# KiCad board COMM PANEL.kicad_pcb (continued)
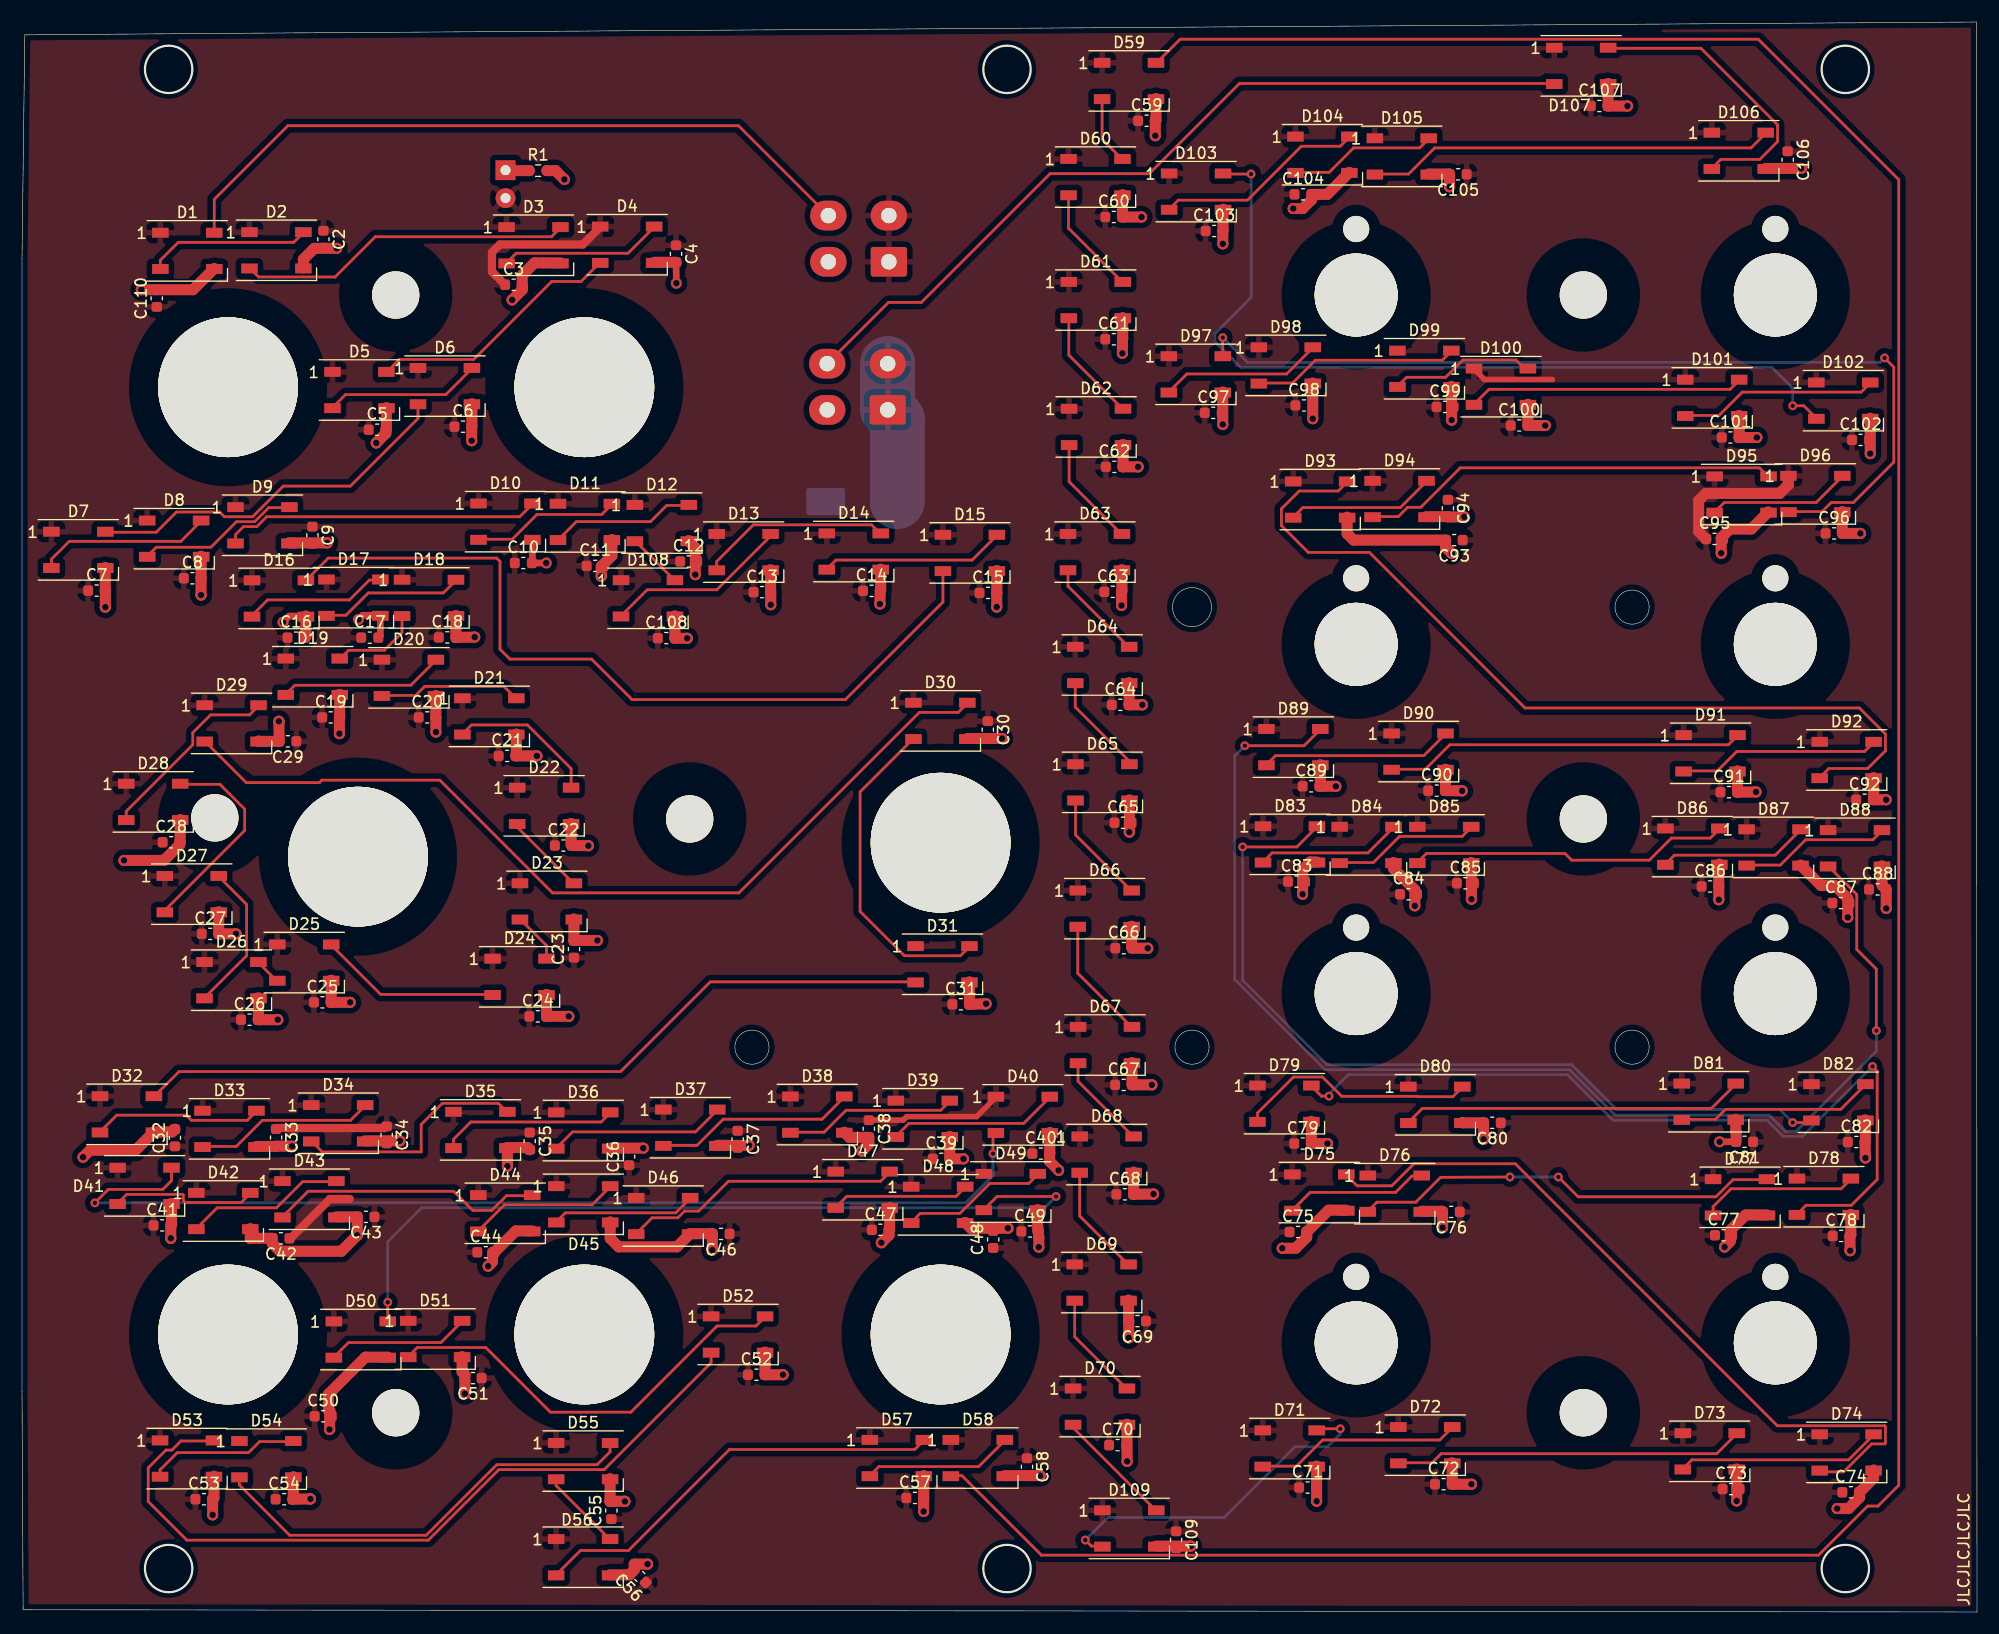
[diagram p0: board, top side]
## Placement (name value [footprint] x y rotation side) (continued)

## Library data of the parts
NOREF#2 = -: Field4: G4

## Footprints (pads in the part's own frame, mm; a bottom-side part is the same pattern mirrored in y, then rotated)
BR10K_Pot_11mm_x_11mm
  round 7.541 hole 7.54 unplated: (0,0) (0,0)
  round 2.381 hole 2.38 unplated: (0,-6)
C_0603_1608Metric
  rrect 0.9x0.95 smd: 1(-0.775,0) 2(0.775,0)
CP_Elec_8x10
  rrect 3.5x2.5 smd: 1(-3.25,0) 2(3.25,0)
LED_D3.0mm
  rect 1.8x1.8 hole 0.9: 1(0,0)
  round 1.8 hole 0.9: 2(2.54,0)
LED_WS2812B_PLCC4_5.0x5.0mm_P3.2mm
  rect 1.5x0.9 smd: 1(-2.45,1.65) 2(-2.45,-1.65) 3(2.45,-1.65) 4(2.45,1.65)
Molex_Mini-Fit_Jr_5566-04A_2x02_P4.20mm_Vertical
  rrect 2.7x3.3 hole 1.4: 1(0,0)
  oval 2.7x3.3 hole 1.4: 2(4.2,0) 3(0,-5.5) 4(4.2,-5.5)
OH_Panel_6-32_PHS
  round 4.3 hole 4.3 unplated: (0,0)
R_0603_1608Metric
  rrect 0.8x0.95 smd: 1(-0.825,0) 2(0.825,0)
SxAL_Toggle_13x13mm
  round 12.7 hole 12.7 unplated: (0,0) (0,0)

## Nets
/DATAIN: D1.4 J1.4
/DATAOUT: D107.2 J2.4
/LED+5V: C1.1 C2.1 C3.1 C4.1 C5.1 C6.1 C7.1 C8.1 C9.1 C10.1 C11.1 C12.1 C13.1 C14.1 C15.1 C16.1 C17.1 C18.1 C19.1 C20.1 C21.1 C22.1 C23.1 C24.1 C25.1 C26.1 C27.1 C28.1 C29.1 C30.1 C31.1 C32.1 C33.1 C34.1 C35.1 C36.1 C37.1 C38.1 C39.1 C40.1 C41.1 C42.1 C43.1 C44.1 C46.1 C47.1 C48.1 C49.1 C50.1 C51.1 C52.1 C53.1 C54.1 C55.1 C56.1 C57.1 C58.1 C59.1 C60.1 C61.1 C62.1 C63.1 C64.1 C65.1 C66.1 C67.1 C68.1 C69.1 C70.1 C71.1 C72.1 C73.1 C74.1 C75.1 C76.1 C77.1 C78.1 C79.1 C80.1 C81.1 C82.1 C83.1 C84.1 C85.1 C86.1 C87.1 C88.1 C89.1 C90.1 C91.1 C92.1 C93.1 C94.1 C95.1 C96.1 C97.1 C98.1 C99.1 C100.1 C101.1 C102.1 C103.1 C104.1 C105.1 C106.1 C107.1 C108.1 C109.1 C110.1 D1.1 D2.1 D3.1 D4.1 D5.1 D6.1 D7.1 D8.1 D9.1 D10.1 D11.1 D12.1 D13.1 D14.1 D15.1 D16.1 D17.1 D18.1 D19.1 D20.1 D21.1 D22.1 D23.1 D24.1 D25.1 D26.1 D27.1 D28.1 D29.1 D30.1 D31.1 D32.1 D33.1 D34.1 D35.1 D36.1 D37.1 D38.1 D39.1 D40.1 D41.1 D42.1 D43.1 D44.1 D45.1 D46.1 D47.1 D48.1 D49.1 D50.1 D51.1 D52.1 D53.1 D54.1 D55.1 D56.1 D57.1 D58.1 D59.1 D60.1 D61.1 D62.1 D63.1 D64.1 D65.1 D66.1 D67.1 D68.1 D69.1 D70.1 D71.1 D72.1 D73.1 D74.1 D75.1 D76.1 D77.1 D78.1 D79.1 D80.1 D81.1 D82.1 D83.1 D84.1 D85.1 D86.1 D87.1 D88.1 D89.1 D90.1 D91.1 D92.1 D93.1 D94.1 D95.1 D96.1 D97.1 D98.1 D99.1 D100.1 D101.1 D102.1 D103.1 D104.1 D105.1 D106.1 D107.1 D108.1 D109.1 D110.2 J1.1 J1.2 J2.1 J2.2
/LEDGND: C1.2 C2.2 C3.2 C4.2 C5.2 C6.2 C7.2 C8.2 C9.2 C10.2 C11.2 C12.2 C13.2 C14.2 C15.2 C16.2 C17.2 C18.2 C19.2 C20.2 C21.2 C22.2 C23.2 C24.2 C25.2 C26.2 C27.2 C28.2 C29.2 C30.2 C31.2 C32.2 C33.2 C34.2 C35.2 C36.2 C37.2 C38.2 C39.2 C40.2 C41.2 C42.2 C43.2 C44.2 C46.2 C47.2 C48.2 C49.2 C50.2 C51.2 C52.2 C53.2 C54.2 C55.2 C56.2 C57.2 C58.2 C59.2 C60.2 C61.2 C62.2 C63.2 C64.2 C65.2 C66.2 C67.2 C68.2 C69.2 C70.2 C71.2 C72.2 C73.2 C74.2 C75.2 C76.2 C77.2 C78.2 C79.2 C80.2 C81.2 C82.2 C83.2 C84.2 C85.2 C86.2 C87.2 C88.2 C89.2 C90.2 C91.2 C92.2 C93.2 C94.2 C95.2 C96.2 C97.2 C98.2 C99.2 C100.2 C101.2 C102.2 C103.2 C104.2 C105.2 C106.2 C107.2 C108.2 C109.2 C110.2 D1.3 D2.3 D3.3 D4.3 D5.3 D6.3 D7.3 D8.3 D9.3 D10.3 D11.3 D12.3 D13.3 D14.3 D15.3 D16.3 D17.3 D18.3 D19.3 D20.3 D21.3 D22.3 D23.3 D24.3 D25.3 D26.3 D27.3 D28.3 D29.3 D30.3 D31.3 D32.3 D33.3 D34.3 D35.3 D36.3 D37.3 D38.3 D39.3 D40.3 D41.3 D42.3 D43.3 D44.3 D45.3 D46.3 D47.3 D48.3 D49.3 D50.3 D51.3 D52.3 D53.3 D54.3 D55.3 D56.3 D57.3 D58.3 D59.3 D60.3 D61.3 D62.3 D63.3 D64.3 D65.3 D66.3 D67.3 D68.3 D69.3 D70.3 D71.3 D72.3 D73.3 D74.3 D75.3 D76.3 D77.3 D78.3 D79.3 D80.3 D81.3 D82.3 D83.3 D84.3 D85.3 D86.3 D87.3 D88.3 D89.3 D90.3 D91.3 D92.3 D93.3 D94.3 D95.3 D96.3 D97.3 D98.3 D99.3 D100.3 D101.3 D102.3 D103.3 D104.3 D105.3 D106.3 D107.3 D108.3 D109.3 J1.3 J2.3 R1.2
Net-(D1-Pad2): D1.2 D2.4
Net-(D2-Pad2): D2.2 D3.4
Net-(D3-Pad2): D3.2 D4.4
Net-(D4-Pad2): D4.2 D5.4
Net-(D5-Pad2): D5.2 D6.4
Net-(D6-Pad2): D6.2 D7.4
Net-(D7-Pad2): D7.2 D8.4
Net-(D8-Pad2): D8.2 D9.4
Net-(D10-Pad2): D10.2 D11.4
Net-(D10-Pad4): D9.2 D10.4
Net-(D11-Pad2): D11.2 D12.4
Net-(D13-Pad2): D13.2 D14.4
Net-(D14-Pad2): D14.2 D15.4
Net-(D15-Pad2): D15.2 D16.4
Net-(D16-Pad2): D16.2 D17.4
Net-(D17-Pad2): D17.2 D18.4
Net-(D18-Pad2): D18.2 D19.4
Net-(D19-Pad2): D19.2 D20.4
Net-(D20-Pad2): D20.2 D21.4
Net-(D21-Pad2): D21.2 D22.4
Net-(D22-Pad2): D22.2 D23.4
Net-(D23-Pad2): D23.2 D24.4
Net-(D24-Pad2): D24.2 D25.4
Net-(D25-Pad2): D25.2 D26.4
Net-(D26-Pad2): D26.2 D27.4
Net-(D27-Pad2): D27.2 D28.4
Net-(D28-Pad2): D28.2 D29.4
Net-(D29-Pad2): D29.2 D30.4
Net-(D30-Pad2): D30.2 D31.4
Net-(D31-Pad2): D31.2 D32.4
Net-(D32-Pad2): D32.2 D33.4
Net-(D33-Pad2): D33.2 D34.4
Net-(D34-Pad2): D34.2 D35.4
Net-(D35-Pad2): D35.2 D36.4
Net-(D36-Pad2): D36.2 D37.4
Net-(D37-Pad2): D37.2 D38.4
Net-(D38-Pad2): D38.2 D39.4
Net-(D39-Pad2): D39.2 D40.4
Net-(D40-Pad2): D40.2 D41.4
Net-(D41-Pad2): D41.2 D42.4
Net-(D42-Pad2): D42.2 D43.4
Net-(D43-Pad2): D43.2 D44.4
Net-(D44-Pad2): D44.2 D45.4
Net-(D45-Pad2): D45.2 D46.4
Net-(D46-Pad2): D46.2 D47.4
Net-(D47-Pad2): D47.2 D48.4
Net-(D48-Pad2): D48.2 D49.4
Net-(D49-Pad2): D49.2 D50.4
Net-(D50-Pad2): D50.2 D51.4
Net-(D51-Pad2): D51.2 D52.4
Net-(D52-Pad2): D52.2 D53.4
Net-(D53-Pad2): D53.2 D54.4
Net-(D54-Pad2): D54.2 D55.4
Net-(D55-Pad2): D55.2 D56.4
Net-(D56-Pad2): D56.2 D57.4
Net-(D57-Pad2): D57.2 D58.4
Net-(D58-Pad2): D58.2 D59.4
Net-(D59-Pad2): D59.2 D60.4
Net-(D60-Pad2): D60.2 D61.4
Net-(D61-Pad2): D61.2 D62.4
Net-(D62-Pad2): D62.2 D63.4
Net-(D63-Pad2): D63.2 D64.4
Net-(D64-Pad2): D64.2 D65.4
Net-(D65-Pad2): D65.2 D66.4
Net-(D66-Pad2): D66.2 D67.4
Net-(D67-Pad2): D67.2 D68.4
Net-(D68-Pad2): D68.2 D69.4
Net-(D69-Pad2): D69.2 D70.4
Net-(D71-Pad2): D71.2 D72.4
Net-(D72-Pad2): D72.2 D73.4
Net-(D73-Pad2): D73.2 D74.4
Net-(D74-Pad2): D74.2 D75.4
Net-(D75-Pad2): D75.2 D76.4
Net-(D76-Pad2): D76.2 D77.4
Net-(D77-Pad2): D77.2 D78.4
Net-(D78-Pad2): D78.2 D79.4
Net-(D79-Pad2): D79.2 D80.4
Net-(D80-Pad2): D80.2 D81.4
Net-(D81-Pad2): D81.2 D82.4
Net-(D82-Pad2): D82.2 D83.4
Net-(D83-Pad2): D83.2 D84.4
Net-(D84-Pad2): D84.2 D85.4
Net-(D85-Pad2): D85.2 D86.4
Net-(D86-Pad2): D86.2 D87.4
Net-(D87-Pad2): D87.2 D88.4
Net-(D88-Pad2): D88.2 D89.4
Net-(D89-Pad2): D89.2 D90.4
Net-(D90-Pad2): D90.2 D91.4
Net-(D91-Pad2): D91.2 D92.4
Net-(D92-Pad2): D92.2 D93.4
Net-(D93-Pad2): D93.2 D94.4
Net-(D94-Pad2): D94.2 D95.4
Net-(D95-Pad2): D95.2 D96.4
Net-(D96-Pad2): D96.2 D97.4
Net-(D97-Pad2): D97.2 D98.4
Net-(D98-Pad2): D98.2 D99.4
Net-(D100-Pad2): D100.2 D101.4
Net-(D100-Pad4): D99.2 D100.4
Net-(D101-Pad2): D101.2 D102.4
Net-(D102-Pad2): D102.2 D103.4
Net-(D103-Pad2): D103.2 D104.4
Net-(D104-Pad2): D104.2 D105.4
Net-(D105-Pad2): D105.2 D106.4
Net-(D106-Pad2): D106.2 D107.4
Net-(D108-Pad2): D13.4 D108.2
Net-(D108-Pad4): D12.2 D108.4
Net-(D109-Pad2): D71.4 D109.2
Net-(D109-Pad4): D70.2 D109.4
Net-(D110-Pad1): D110.1 R1.1

## Via types
v1: diameter 0.8, hole 0.4, Top to Bottom, 18 vias
v2: diameter 1, hole 0.6, Top to Bottom, 108 vias

## Routing (per net, layer and track width the routed paths; a pad name or vN(x,y) marks a point on that pad's centre or on a via; arc(x,y) is an arc through that point)
/DATAIN: length 65.1
  Top w0.25: 17.48,125.32 17.48,128.41 24.16,135.1 65.13,135.1 J1.4
/DATAOUT: length 76.6
  Top w0.25: J2.4 78.76,119.04 81.75,119.04 93.45,130.74 102.47,130.74 110.66,138.94 139.27,138.94
/LED+5V: length 77.5
  Top w0.5: 88.52,46.79 86.77,45.03 80.41,45.03 80.1,44.72 76.97,44.72 ; 131.98,112.98 132.93,112.03 139.11,112.03
  Top w0.75: 52.55,125.88 50.98,124.31 43.43,124.31 42.72,123.59 42.72,121.82 43.9,120.64 ; 33.15,44.16 32.98,43.99 23.1,43.99 23.1,43.99 23.1,43.92 ; 24.32,33.97 24.41,33.97 27.99,37.54 29.79,37.54
  Top w1: 153.06,97.54 152.4,98.2 152.4,101.03 153.04,101.68 159.76,101.68 160.56,102.47 160.56,103.23
  Bottom w5: C1.1 79.55,108.41 J2.1 J2.2
/LEDGND: length 453.6
  Top w0.25: v2(49.3,130.22) 49.22,130.14
  Top w0.6: 59.45,120.81 v2(59.48,120.78) 59.45,122.67 ; 46.39,97.51 46.39,95.39 46.35,95.35 v2(47.65,95.35) ; v2(23.72,89.97) 24.28,90.53 25.81,90.53 ; v2(30.58,90.22) 30.96,90.6 32.57,90.6 32.57,88.74 32.4,88.57 ; 155.78,42.74 v2(154.3,42.74)
  Top w1: 34.34,42.82 v2(34.34,42.82) 31.19,42.82 ; 66.09,42.42 v2(66.09,42.42) 63.2,42.42 ; 89.64,34.88 v2(89.61,34.88) 86.25,34.88 85.72,35.41 ; 100.43,13.71 v2(100.45,13.69) 100.43,17.07 ; 27.99,16.63 v2(27.95,16.59) 27.99,18.22 ; 40.26,19.85 v2(40.25,19.84) 40.26,21.57 40,21.83 40,23.22 ; 100.66,70.9 v2(100.65,70.89) 100.66,73.81 ; 131.72,64.81 v2(131.75,64.79) 131.72,68.12 ; 129.92,108.37 v2(129.95,108.34) 129.92,111.4 ; 41.12,88.59 v2(41.15,88.62) 39.45,88.59 39.44,88.59 39.44,90.58 ; 23.37,80.94 v2(23.35,80.97) 23.37,79.14 21.53,79.14 21.5,79.17 ; 76.32,41.89 v2(76.34,41.9) 76.97,42.54 76.97,43.14 75.21,43.14 74.74,43.61 ; 102.82,37.97 v2(102.85,37.99) 101.04,37.97 101.04,37.97 101.04,39.98 ; v2(30.47,34.24) 30.47,34.34 ; v2(30.47,34.24) 30.47,35.92 28.57,35.92 ; v2(30.47,34.24) 29.02,32.79 23.45,32.79 22.75,33.49 22.75,33.97 20.77,33.97 20.75,33.94 20.75,34.85 ; 100.6,24.94 v2(100.6,24.92) 100.6,26.44 100.58,26.45 100.58,28.35 ; 129.75,129.56 v2(129.76,129.55) 129.75,130.68 129.72,130.71 127.86,130.71 ; 100.03,114.42 v2(100.02,114.41) 100.03,115.69 100.05,115.71 100.05,117.65 ; 157.68,106.76 v2(157.69,106.76) 156.07,106.76 156.08,106.77 156.08,108.76 ; 131.08,99.54 v2(131.09,99.54) 129.61,99.54 129.58,99.57 127.66,99.57 ; 129.95,96.22 v2(129.97,96.22) 129.39,96.78 129.39,97.43 121.03,97.43 120.45,98.02 120.45,99.52 ; 78.01,91.65 v2(77.98,91.62) 78.01,92.82 78.05,92.86 78.05,94.79 ; 60.45,88.52 v2(60.47,88.5) 59.36,88.52 59.35,88.53 59.35,90.54 ; 26.21,10.25 v2(26.22,10.28) 24.62,10.25 24.66,10.3 24.66,12.29 ; 54.77,10.08 v2(54.8,10.05) 53.43,10.08 53.45,10.11 53.45,12.12 ; 167.52,41.31 v2(167.56,41.27) 167.52,42.72 167.55,42.75 167.55,44.73 ; 166.14,32.87 v2(166.17,32.84) 166.14,34.18 166.23,34.27 166.23,36.14 ; 157.59,74.52 v2(157.61,74.54) 155.94,74.52 155.93,74.53 155.93,76.45 ; 130.88,74.66 v2(130.9,74.64) 129.38,74.66 129.39,74.67 129.39,76.61 ; 102.31,60.34 v2(102.32,60.33) 100.94,60.34 100.86,60.42 100.86,62.33 ; 87.58,55.24 v2(87.63,55.29) 86.13,55.24 86.12,55.25 86.12,57.28 ; 51.46,69.67 v2(51.48,69.65) 50,69.67 49.91,69.76 49.91,71.68 ; v2(16.27,92.44) 16.27,93.97 16.28,93.97 16.28,95.96 ; 47.67,56.13 47.67,54.14 47.67,54.14 v2(49.7,54.14) ; v2(126.6,64.19) 126.6,65.64 124.66,67.57 124.66,68.12 ; 85.93,79.4 v2(89.08,79.4) ; 53.62,97.49 53.62,96.01 52.65,95.04 v2(52.65,94.14) ; v2(68.06,91.56) 68.06,92.7 68.04,92.71 68.04,94.74 ; 24.64,97.18 24.31,97.18 v2(27.74,97.18) ; v2(154.23,64.74) 154.23,67.92 154.28,67.97 154.28,67.97 ; 42.77,32.7 42.77,31.84 v2(42.37,31.44) ; v2(164.99,9.4) 166.02,9.4 167.02,10.41 167.02,10.88 168.3,12.16 168.3,12.9 ; 161.66,67.89 163.51,66.04 164.77,66.04 165.95,64.86 v2(165.95,63.14) ; 28.1,57.43 28.1,55.42 28.1,55.42 v2(29.82,55.42) ; v2(44.55,119.27) 45.47,120.19 45.47,120.64 ; v2(109.15,124.36) 109.15,125.53 109.17,125.55 109.17,127.51 ; 155.8,42.77 155.8,43.63 155.76,43.67 155.76,44.78 ; 155.85,13 v2(155.85,10.1) ; 158.5,131.22 v2(161.72,131.22) ; v2(101.45,104.09) 100.08,104.09 100.08,104.09 100.08,106.12 ; 158.61,36.09 156.67,36.09 155.26,34.68 155.27,34.68 155.27,33.69 v2(154.76,33.18) ; 50.16,62.99 50.16,61.05 50.17,61.04 v2(52.3,61.04) ; v2(44.12,40.52) 44.12,42.21 45.95,42.21 46.15,42.02 ; v2(61.2,94.29) 61.2,96.74 60.6,97.33 60.6,97.38 ; v2(88.6,91.35) 88.6,92.63 88.61,92.64 88.61,94.67 ; 92.33,36.58 92.33,34.66 92.4,34.59 92.4,34.12 92.42,34.09 v2(92.42,33.17) ; 144.17,138.94 144.17,136.9 144.16,136.89 v2(145.93,136.89) ; 7.57,94.95 7.57,92.84 7.57,92.84 v2(7.57,91.34) ; 158.75,99.97 158.71,99.97 157.18,98.44 155.25,98.44 154.45,97.64 v2(154.45,96.24) ; v2(81.95,9.14) 81.95,10.37 81.96,10.38 81.96,12.4 ; v2(116.4,65.24) 116.4,67.49 117.08,68.17 117.7,68.17 ; v2(101.84,82.46) 100.62,82.46 100.63,82.48 100.63,84.48 ; v2(23.25,53.84) 21.47,53.84 21.49,53.86 21.49,55.83 ; v2(13.52,33.97) 13.52,35.14 13.59,35.2 13.59,37.13 ; v2(119.42,75.05) 117.97,75.05 118.01,75.09 118.01,77.01 ; v2(138.46,107.85) 136.88,107.85 136.88,107.85 136.88,109.78 ; 27.99,18.22 27.99,17.79 ; 27.99,18.22 27.85,18.36 27.85,19.79 31.22,23.16 33.25,23.16 ; 44.93,79.81 44.93,77.86 44.89,77.82 v2(46.8,77.82) ; v2(69.17,21.57) 67.55,21.57 67.54,21.58 67.54,23.62 ; 14.38,72.03 14.38,69.99 14.35,69.97 14.35,69.77 12.9,68.32 v2(9.27,68.32) ; v2(19.45,61.64) 17.9,61.64 17.88,61.66 17.88,63.65 ; 53.45,3.38 55.2,3.38 55.65,3.82 55.65,4.35 v2(56.86,4.35) ; v2(32.2,106.27) 33.07,107.14 33.07,107.47 33.12,107.51 33.12,109.47 ; 109.14,110.9 v2(109.14,107.95) ; 120.65,130.86 118.65,128.86 117.23,128.86 117.23,128.39 116.41,127.57 v2(115.55,127.57) ; 127.23,36.42 129.06,36.42 129.12,36.37 v2(129.12,34.94) ; v2(169.44,73.83) 168.28,73.83 168.3,73.85 168.3,75.84 ; 42.95,32.7 44.89,34.64 46.37,34.64 ; v2(28.85,79.84) 28.85,81.32 28.88,81.35 28.88,83.41 ; 103.1,5.99 v2(106.25,5.99) ; v2(99.94,91.49) 99.94,92.73 99.97,92.77 99.97,94.74 ; 89.33,12.4 v2(92.54,12.4) ; 168,108.51 v2(168,105.29) ; v2(85.57,41.19) 84.35,41.19 84.33,41.21 84.33,43.23 ; 169.06,67.82 169.06,66.07 169.45,65.68 v2(169.45,63.95) ; v2(118.66,42.58) 117.2,42.58 117.2,42.58 117.2,44.6 ; 37.62,83.31 37.62,81.32 37.62,81.32 v2(37.62,79.99) ; 25.58,122.17 25.58,122.96 26.57,123.95 v2(28.6,123.95) ; 130.91,44.5 130.95,44.47 132.85,44.47 v2(132.85,42.97) ; 21.31,42.32 23.07,42.32 23.1,42.34 v2(24.55,42.34) ; 45.47,120.45 45.47,121.51 46.58,122.63 48.94,122.63 ; 103.07,137.57 103.07,135.62 103.01,135.55 v2(103.01,134.19) ; v2(167.1,98.04) 165.5,98.04 165.46,98.08 165.46,100.03 ; v2(78.11,33.57) 78.81,34.27 78.81,34.74 78.86,34.8 78.86,36.78 ; 117.68,13.26 v2(117.68,10.07) ; 57.45,122.68 59.43,122.68 59.45,122.67 ; v2(131.75,11.62) 130,11.62 130,13.56 ; v2(94.22,40.14) 93.4,40.97 93.4,41.67 93.42,41.69 93.42,43.59 ; v2(49.3,130.22) 48.5,131.02 47.7,131.02 ; 120.37,36.52 118.76,36.52 116.77,34.54 116.77,34.07 115.77,33.07 v2(114.55,33.07) ; v2(101.76,126.8) 100.03,126.8 100.03,126.8 100.03,128.83 ; 25.81,90.53 25.81,88.67 25.7,88.57 ; 13.9,43.89 13.64,43.64 11.99,43.64 10.32,41.97 6.17,41.97 v2(5.55,41.34) ; 40.89,109.83 40.89,107.76 40.87,107.74 v2(40.87,106.47) ; 53.46,35.46 53.46,33.96 54.23,33.19 59.53,33.19 60.73,34.39 62.72,34.39 62.75,34.37 v2(62.75,32.89) ; v2(17.33,8.83) 17.33,10.25 17.45,10.37 17.45,12.34 ; v2(102.7,47.92) 100.92,47.92 100.89,47.95 100.89,49.94 ; v2(10.85,120.19) 15.54,120.19 17.48,122.12 ; 53.46,42.16 v2(56.46,42.16) ; 117.32,111.71 v2(117.32,108.47)
Net-(D1-Pad2): length 14.8
  Top w0.25: 25.58,125.37 24.7,124.5 14.2,124.5 12.58,122.87 12.58,122.12
Net-(D2-Pad2): length 30.5
  Top w0.25: 48.94,125.83 48.12,125.01 32.11,125.01 28.46,121.35 21.5,121.35 20.68,122.17
Net-(D3-Pad2): length 14.8
  Top w0.25: 57.45,125.88 55.08,123.51 44.92,123.51 44.04,122.63
Net-(D4-Pad2): length 23.6
  Top w0.25: 52.55,122.68 50.81,120.94 48.15,120.94 41.06,113.86 34.3,113.86 33.12,112.67
Net-(D5-Pad2): length 14.1
  Top w0.25: 28.22,109.47 29.4,110.66 38.52,110.66 40.89,113.03
Net-(D6-Pad2): length 34.4
  Top w0.25: 7.57,98.15 12.2,98.15 14.04,99.99 17.97,99.99 18.4,99.56 20.96,99.56 23.75,102.34 29.85,102.34 35.99,108.49 35.99,109.83
Net-(D7-Pad2): length 15.8
  Top w0.25: 2.67,94.95 2.67,95.7 4.29,97.32 14.44,97.32 16.28,99.16
Net-(D8-Pad2): length 14.8
  Top w0.25: 24.31,100.38 22.42,100.38 21.15,99.11 19.5,99.11 17.18,96.79 12.2,96.79 11.38,95.96
Net-(D10-Pad2): length 13.4
  Top w0.25: 53.62,100.69 52.69,99.76 46.8,99.76 44.56,97.51 41.49,97.51
Net-(D10-Pad4): length 29.1
  Top w0.25: 46.39,100.71 45.24,99.56 22.24,99.56 21.34,98.66 20.13,98.66 19.41,97.93 19.41,97.18 19.41,97.35
Net-(D11-Pad2): length 13.2
  Top w0.25: 48.72,97.49 48.77,97.49 50.39,99.11 57.12,99.11 58.6,100.58 60.6,100.58
Net-(D13-Pad2): length 17.4
  Top w0.25: 63.14,94.74 63.14,95.49 66.47,98.82 77.23,98.82 78.05,97.99
Net-(D14-Pad2): length 16.7
  Top w0.25: 73.15,94.79 73.98,95.62 86.36,95.62 88.61,97.87
Net-(D15-Pad2): length 75.3
  Top w0.25: 83.71,94.67 83.71,91.8 74.85,82.94 55.45,82.94 51.77,86.62 44.35,86.62 43.45,87.51 43.45,95.49 43.14,95.8 27.83,95.8 25.81,93.77 25.81,93.73
Net-(D16-Pad2): length 13.1
  Top w0.25: 32.57,93.8 31.57,93.8 29.77,92 22.33,92 20.91,90.58 20.91,90.53
Net-(D17-Pad2): length 13.1
  Top w0.25: 39.44,93.78 38.3,92.63 31.47,92.63 29.45,90.6 27.67,90.6
Net-(D18-Pad2): length 8.2
  Top w0.25: 34.54,90.58 34.54,89.03 32.93,87.41 29.68,87.41 28.88,86.61
Net-(D19-Pad2): length 14.9
  Top w0.25: 37.62,86.51 35.34,84.24 24.8,84.24 23.98,83.41
Net-(D20-Pad2): length 13
  Top w0.25: 32.72,83.31 35.78,83.31 36.61,84.14 43.8,84.14 44.93,83.01
Net-(D21-Pad2): length 13.6
  Top w0.25: 40.03,79.81 40.86,80.63 45.94,80.63 49.91,76.66 49.91,74.88
Net-(D22-Pad2): length 7.6
  Top w0.25: 50.16,66.19 45.01,71.35 45.01,71.68
Net-(D23-Pad2): length 4.7
  Top w0.25: 47.67,59.33 47.67,60.58 45.26,62.99
Net-(D24-Pad2): length 16.5
  Top w0.25: 42.77,56.13 32.6,56.13 28.1,60.63
Net-(D25-Pad2): length 2.4
  Top w0.25: 23.2,57.43 23.09,57.43 21.49,59.03
Net-(D26-Pad2): length 13.7
  Top w0.25: 17.88,66.85 20.41,64.32 20.41,59.65 16.59,55.83
Net-(D27-Pad2): length 19.1
  Top w0.25: 12.98,63.65 12.98,63.78 20.24,71.04 20.24,72.98 17.99,75.23 14.38,75.23
Net-(D28-Pad2): length 17.4
  Top w0.25: 9.48,72.03 9.48,72.78 15.52,78.83 15.52,79.93 17.14,81.55 20.67,81.55 21.5,82.37
Net-(D29-Pad2): length 82.4
  Top w0.25: 16.6,79.17 20.39,75.39 27.02,75.39 27.25,75.61 37.98,75.61 48.22,65.37 65.16,65.37 81.57,81.78 85.1,81.78 85.93,82.6
Net-(D30-Pad2): length 29.7
  Top w0.25: 81.03,79.4 76.18,74.55 76.18,63.68 80.21,59.65 85.29,59.65 86.12,60.48
Net-(D31-Pad2): length 73.6
  Top w0.25: 11.99,46.84 14.27,49.12 54.41,49.12 62.56,57.28 81.22,57.28
Net-(D32-Pad2): length 15.4
  Top w0.25: 7.09,43.64 8.61,45.16 14.93,45.16 15.4,44.69 20.48,44.69 21.31,45.52
Net-(D33-Pad2): length 16.3
  Top w0.25: 31.19,46.02 29.86,44.69 21.85,44.69 19.47,42.32 16.41,42.32
Net-(D34-Pad2): length 21.9
  Top w0.25: 44.12,45.41 43.29,46.24 38.21,46.24 36.28,44.32 36.28,41.82 27.29,41.82 26.29,42.82
Net-(D35-Pad2): length 16
  Top w0.25: 53.46,45.36 52.64,44.54 40.79,44.54 39.22,42.96 39.22,42.21
Net-(D36-Pad2): length 16.1
  Top w0.25: 48.56,42.16 50.04,43.64 61.22,43.64 63.2,45.62
Net-(D37-Pad2): length 18.3
  Top w0.25: 74.74,46.81 72.72,44.79 63.74,44.79 61.36,42.42 58.3,42.42
Net-(D38-Pad2): length 15.7
  Top w0.25: 69.84,43.61 72.9,43.61 74.9,45.61 83.5,45.61 84.33,46.43
Net-(D39-Pad2): length 15.5
  Top w0.25: 79.43,43.23 80.61,44.41 91.05,44.41 93.42,46.79
Net-(D40-Pad2): length 95.6
  Top w0.25: v1(88.26,41.67) 88.26,43.32 88.52,43.59 ; 13.59,40.33 13.59,39.21 12.79,38.41 7.84,38.41 v1(6.62,37.19)
  Bottom w0.25: v1(88.26,41.67) 88.26,39.66 85.8,37.2 82.8,37.2 82.79,37.19 v1(6.62,37.19)
Net-(D41-Pad2): length 13.3
  Top w0.25: 20.75,38.05 19.92,37.22 14.84,37.22 14.66,37.4 14.66,37.89 14.6,37.96 9.51,37.96 8.69,37.13
Net-(D42-Pad2): length 14.5
  Top w0.25: 15.85,34.85 17.74,36.74 23.13,36.74 25.51,39.12 28.57,39.12
Net-(D43-Pad2): length 24.9
  Top w0.25: 23.67,35.92 26,38.24 39.23,38.24 40.98,36.5 42.7,36.5 44.04,37.84 46.37,37.84
Net-(D44-Pad2): length 13.7
  Top w0.25: 41.47,34.64 43.85,37.02 51.82,37.02 53.46,38.66
Net-(D45-Pad2): length 13
  Top w0.25: 48.56,35.46 49.39,36.28 59.42,36.28 60.73,37.59
Net-(D46-Pad2): length 25.3
  Top w0.25: 55.83,34.39 57.27,35.83 59.61,35.83 60.22,36.44 61.5,36.44 64.21,39.15 78.04,39.15 78.86,39.98
Net-(D47-Pad2): length 12.5
  Top w0.25: 73.96,36.78 74.97,37.78 84.9,37.78 85.72,38.61
Net-(D48-Pad2): length 13.3
  Top w0.25: 92.33,39.78 91.5,38.95 87.97,38.95 85.25,36.23 81.65,36.23 80.82,35.41
Net-(D49-Pad2): length 76.8
  Top w0.25: 87.43,36.58 88.62,37.77 v1(93.99,37.77) ; 33.25,26.36 v1(33.25,28.16)
  Bottom w0.25: 83.32,36.74 83.33,36.75 ; 83.32,36.74 92.96,36.74 v1(93.99,37.77) ; 83.32,36.74 36.31,36.74 33.25,33.67 v1(33.25,28.16)
Net-(D50-Pad2): length 13
  Top w0.25: 28.35,23.16 29.67,24.49 38.08,24.49 40,26.42
Net-(D51-Pad2): length 38.8
  Top w0.25: 35.1,23.22 35.93,24.04 42.15,24.04 48.02,18.17 55.34,18.17 63.18,26 66.71,26 67.54,26.82
Net-(D52-Pad2): length 70.3
  Top w0.25: 62.64,23.62 62.64,22.66 52.91,12.94 43.34,12.94 36.93,6.53 14.99,6.53 11.47,10.04 11.47,13.1 13.09,14.72 13.63,14.72 14.45,15.54 17.45,15.54
Net-(D53-Pad2): length 13.8
  Top w0.25: 24.66,15.49 21.6,15.49 20.59,14.49 14.11,14.49 12.55,12.92 12.55,12.34
Net-(D54-Pad2): length 40.2
  Top w0.25: 53.45,15.32 53.45,14.57 52.28,13.39 43.16,13.39 36.74,6.98 24.33,6.98 19.76,11.54 19.76,12.29
Net-(D55-Pad2): length 7.6
  Top w0.25: 48.55,12.12 48.55,11.48 53.45,6.58
Net-(D56-Pad2): length 38.5
  Top w0.25: 48.55,3.38 50.76,5.59 55.12,5.59 64.31,14.77 81.14,14.77 81.96,15.6
Net-(D57-Pad2): length 13.6
  Top w0.25: 89.33,15.6 86.95,13.22 77.89,13.22 77.06,12.4
Net-(D58-Pad2): length 284.2
  Top w0.25: 103.07,140.77 105.27,142.96 157.82,142.96 170.59,130.19 170.59,11.52 168.7,9.63 167.76,9.63 163.29,5.17 92.66,5.17 85.43,12.4 84.43,12.4
Net-(D59-Pad2): length 6.3
  Top w0.25: 98.17,137.57 98.17,133.88 100.03,132.03
Net-(D60-Pad2): length 10
  Top w0.25: 100.05,120.85 95.13,125.78 95.13,128.83
Net-(D61-Pad2): length 10.4
  Top w0.25: 95.15,117.65 95.15,114.25 100.08,109.32
Net-(D62-Pad2): length 10.2
  Top w0.25: 99.97,97.94 95.18,102.74 95.18,106.12
Net-(D63-Pad2): length 9.4
  Top w0.25: 95.07,94.74 95.07,93.24 100.63,87.68
Net-(D64-Pad2): length 9.5
  Top w0.25: 100.66,77.01 100.66,77.33 95.73,82.25 95.73,84.48
Net-(D65-Pad2): length 10.4
  Top w0.25: 95.76,73.81 95.76,70.64 100.86,65.53
Net-(D66-Pad2): length 11.2
  Top w0.25: 95.96,62.33 95.96,58.06 100.89,53.14
Net-(D67-Pad2): length 8.9
  Top w0.25: 95.99,49.94 95.99,48.23 101.04,43.18
Net-(D68-Pad2): length 10.3
  Top w0.25: 96.14,39.98 96.14,35.99 100.58,31.55
Net-(D69-Pad2): length 10
  Top w0.25: 100.43,20.27 95.68,25.02 95.68,28.35
Net-(D71-Pad2): length 18.7
  Top w0.25: 130,16.76 128.87,15.63 118.22,15.63 115.84,13.26 112.78,13.26
Net-(D72-Pad2): length 31.9
  Top w0.25: 125.1,13.56 128.16,13.56 128.99,14.39 154.04,14.39 155.85,16.2
Net-(D73-Pad2): length 18.6
  Top w0.25: 168.3,16.1 166.03,13.83 151.78,13.83 150.95,13
Net-(D74-Pad2): length 68.8
  Top w0.25: 163.4,12.9 163.56,12.74 165.57,12.74 168.11,15.28 169.31,15.28 169.38,15.34 169.38,16.86 169.31,16.93 159.55,16.93 135.74,40.74 126.51,40.74 124.51,38.74 121.35,38.74 120.37,39.72
Net-(D75-Pad2): length 13
  Top w0.25: 127.23,39.62 126.33,39.62 124.85,38.14 117.08,38.14 115.47,36.52
Net-(D76-Pad2): length 39
  Top w0.25: 135.22,39.51 v1(135.25,39.54) 128.95,39.51 126.69,37.25 123.15,37.25 122.33,36.42 ; v1(139.65,39.54) 141.45,37.74 153.97,37.74 155.52,39.29 158.61,39.29
  Bottom w0.25: v1(139.65,39.54) v1(135.25,39.54)
Net-(D77-Pad2): length 14.3
  Top w0.25: 153.71,36.09 153.71,36.84 155.33,38.47 165.35,38.47 166.23,39.34
Net-(D78-Pad2): length 76.3
  Top w0.25: 161.33,36.14 162.15,36.97 166.28,36.97 168.62,39.32 168.62,49.16 v1(168.2,49.59) ; v1(118.8,46.89) 118.11,46.89 117.2,47.8
  Bottom w0.25: v1(168.2,49.59) 161.85,43.24 160.08,43.24 158.61,44.71 144.62,44.71 140.49,48.84 120.55,48.84 118.8,47.09 v1(118.8,46.89)
Net-(D79-Pad2): length 21.8
  Top w0.25: 112.3,44.6 112.3,45.35 115.57,48.63 118.21,48.63 119.96,46.88 126.86,46.88 126.9,46.84 130.05,46.84 130.91,47.7
Net-(D80-Pad2): length 31.2
  Top w0.25: 155.76,47.98 153.56,45.78 127.29,45.78 126.01,44.5
Net-(D81-Pad2): length 18
  Top w0.25: 167.55,47.93 165.31,45.69 154.84,45.69 153.93,44.78 150.86,44.78
Net-(D82-Pad2): length 77.1
  Top w0.25: v1(160.95,44.49) 162.41,44.49 162.65,44.73 ; 117.7,71.37 115.87,69.54 v1(110.95,69.54)
  Bottom w0.25: 160.65,44.49 v1(160.95,44.49) 159.77,45.67 144.93,45.67 140.86,49.74 118.61,49.74 110.95,57.4 v1(110.95,69.54)
Net-(D83-Pad2): length 13.2
  Top w0.25: 124.66,71.32 122.34,69 113.63,69 112.8,68.17
Net-(D84-Pad2): length 13.3
  Top w0.25: 131.72,71.32 130.9,70.5 125.2,70.5 122.83,68.12 119.76,68.12
Net-(D85-Pad2): length 29.2
  Top w0.25: 126.82,68.12 127.65,68.95 140.24,68.95 140.85,68.34 147.91,68.34 149.92,70.35 153.45,70.35 154.28,71.17
Net-(D86-Pad2): length 13.6
  Top w0.25: 161.66,71.09 159.36,68.8 150.2,68.8 149.38,67.97
Net-(D87-Pad2): length 13.6
  Top w0.25: 169.06,71.02 168.24,70.19 162.12,70.19 159.82,67.89 156.76,67.89
Net-(D88-Pad2): length 114.8
  Top w0.25: v1(168.55,52.84) 168.55,58.44 166.77,60.22 166.77,65.21 164.16,67.82 ; v1(111.15,78.74) 116.54,78.74 118.01,80.21
  Bottom w0.25: v1(168.55,52.84) 168.55,50.99 161.25,43.69 160.27,43.69 158.8,45.16 144.8,45.16 140.67,49.29 118.42,49.29 110.22,57.49 110.22,77.82 v1(111.15,78.74)
Net-(D89-Pad2): length 17.4
  Top w0.25: 129.39,79.81 127.42,77.84 113.93,77.84 113.11,77.01
Net-(D90-Pad2): length 32.7
  Top w0.25: 155.93,79.65 155.1,78.83 129.78,78.83 127.55,76.61 124.49,76.61
Net-(D91-Pad2): length 18.3
  Top w0.25: 168.3,79.04 167.48,78.22 155.86,78.22 154.09,76.45 151.03,76.45
Net-(D92-Pad2): length 79.8
  Top w0.25: 163.4,75.84 164.23,76.67 167.76,76.67 169.38,78.28 169.38,79.8 167.01,82.17 136.61,82.17 122.47,96.32 116.91,96.32 114.47,98.76 114.47,100.28 116.09,101.89 119.62,101.89 120.45,102.72
Net-(D93-Pad2): length 13.5
  Top w0.25: 115.55,99.52 116.42,100.39 125.29,100.39 127.66,102.77
Net-(D94-Pad2): length 38.2
  Top w0.25: 158.75,103.17 157.92,104 130.73,104 127.14,100.41 125.94,100.41 125.1,99.57 122.76,99.57
Net-(D95-Pad2): length 13
  Top w0.25: 153.85,99.97 154.73,100.85 163.08,100.85 165.46,103.23
Net-(D96-Pad2): length 84.6
  Top w0.25: 169.25,114.04 v1(169.3,113.99) 170.14,113.15 170.14,104.52 166.47,100.85 164.45,100.85 163.62,100.03 160.56,100.03 160.86,100.03 ; 109.14,114.1 v1(109.14,115.83)
  Bottom w0.25: v1(169.3,113.99) 168.9,113.59 111.39,113.59 v1(109.14,115.83)
Net-(D97-Pad2): length 14.7
  Top w0.25: 104.24,110.9 105.88,112.53 114.95,112.53 117.32,114.91
Net-(D98-Pad2): length 18.7
  Top w0.25: 112.42,111.71 115.49,111.71 117.56,113.78 129.09,113.78 129.92,114.6
Net-(D100-Pad2): length 25
  Top w0.25: 131.98,109.78 133.34,111.14 155.26,111.14 156.08,111.96
Net-(D100-Pad4): length 13.2
  Top w0.25: 136.88,112.98 136.61,112.98 135.78,113.8 130.97,113.8 129.39,112.23 125.84,112.23 125.02,111.4
Net-(D101-Pad2): length 18
  Top w0.25: 151.18,108.76 154.25,108.76 156.37,110.88 167.17,110.88 168,111.71
Net-(D102-Pad2): length 77.6
  Top w0.25: 109.17,130.71 v1(111.72,130.71) ; v1(160.95,109.64) 161.96,109.64 163.1,108.51
  Bottom w0.25: v1(160.95,109.64) 160.95,111.24 159.05,113.14 110.76,113.14 108.42,115.49 108.42,116.18 111.72,119.48 v1(111.72,130.71)
Net-(D103-Pad2): length 19.1
  Top w0.25: 120.65,134.06 119.82,133.24 116.29,133.24 111.39,128.33 105.09,128.33 104.27,127.51
Net-(D104-Pad2): length 13.4
  Top w0.25: 127.86,133.91 127.04,133.08 121.04,133.08 118.81,130.86 115.75,130.86
Net-(D105-Pad2): length 37.1
  Top w0.25: 158.5,134.42 157.16,133.08 128.4,133.08 126.03,130.71 122.96,130.71
Net-(D106-Pad2): length 26.8
  Top w0.25: 144.17,142.14 152.61,142.14 159.57,135.18 159.57,133.66 157.96,132.04 154.42,132.04 153.6,131.22
Net-(D108-Pad2): length 16.7
  Top w0.25: 54.45,90.54 56.82,92.92 63.15,92.92 68.04,97.81 68.04,97.94
Net-(D108-Pad4): length 5.2
  Top w0.25: 55.7,97.38 59.35,93.74
Net-(D109-Pad2): length 31.6
  Top w0.25: v1(119.82,16.65) 117.87,16.65 117.68,16.46 ; v1(96.65,6.54) 97.2,5.99 98.2,5.99
  Bottom w0.25: v1(119.82,16.65) 119.82,16.18 118.66,15.02 115.71,15.02 109.29,8.59 98.7,8.59 v1(96.65,6.54)
Net-(D109-Pad4): length 11
  Top w0.25: 95.53,17.07 95.53,16.76 103.1,9.19
Net-(D110-Pad1): length 2.2
  Top w1: D110.1 43.99,131.02 46.12,131.02

## Copper pours and planes (outline as drawn; the poured copper is in the pictures)
/LED+5V on Top: 182.3,-2.36 -0.95,-0.83 -0.56,143.66 180.19,146.54
/LEDGND on Bottom: 177.24,0.41 0.76,0.76 0.81,143.21 98.4,143.66 124.41,143.76 177.39,144.27

## Text on the board
B.Silkscreen: CRYPTO | RLY | ⌀4MM | ILS CHANNEL | MODE 4 | G XMIT | COMM PANEL / Version 2.3 / www.openhornet.com | READY | Switch PCB / H5 | ⌀3MM | UFC/MAN | MASTER | Switch PCB / H2 | Switch PCB / H4 | MIDS B | TCN | RWR | VOX | Switch PCB / H1 | Switch PCB / H3 | MIDS A | AUX | WPN | ICS | ROTARY SWITCH / 23 POSITION / 15° PER POS. | POWER REQUIREMENTS: / VOLTAGE: 5V DC / LEDS: 109 / CURRENT: 6.54A / WATTAGE: 32.7W | Molex 2X2 Mini-Fit Jr. | 1000uF | IN | THRU
F.Silkscreen: JLCJLCJLCJLC
